# Altium PCB ir-24v-shit5-7-v2.PcbDoc (part 2 of 5)
Units mm, origin at the board's own origin, x right, y up, seen from the top; angles counter-clockwise.
Board outline 326.8 x 258 mm, 2 copper layers (Top Layer, Bottom Layer); 1008 components, 31 nets, 2786 pads, 0 vias.
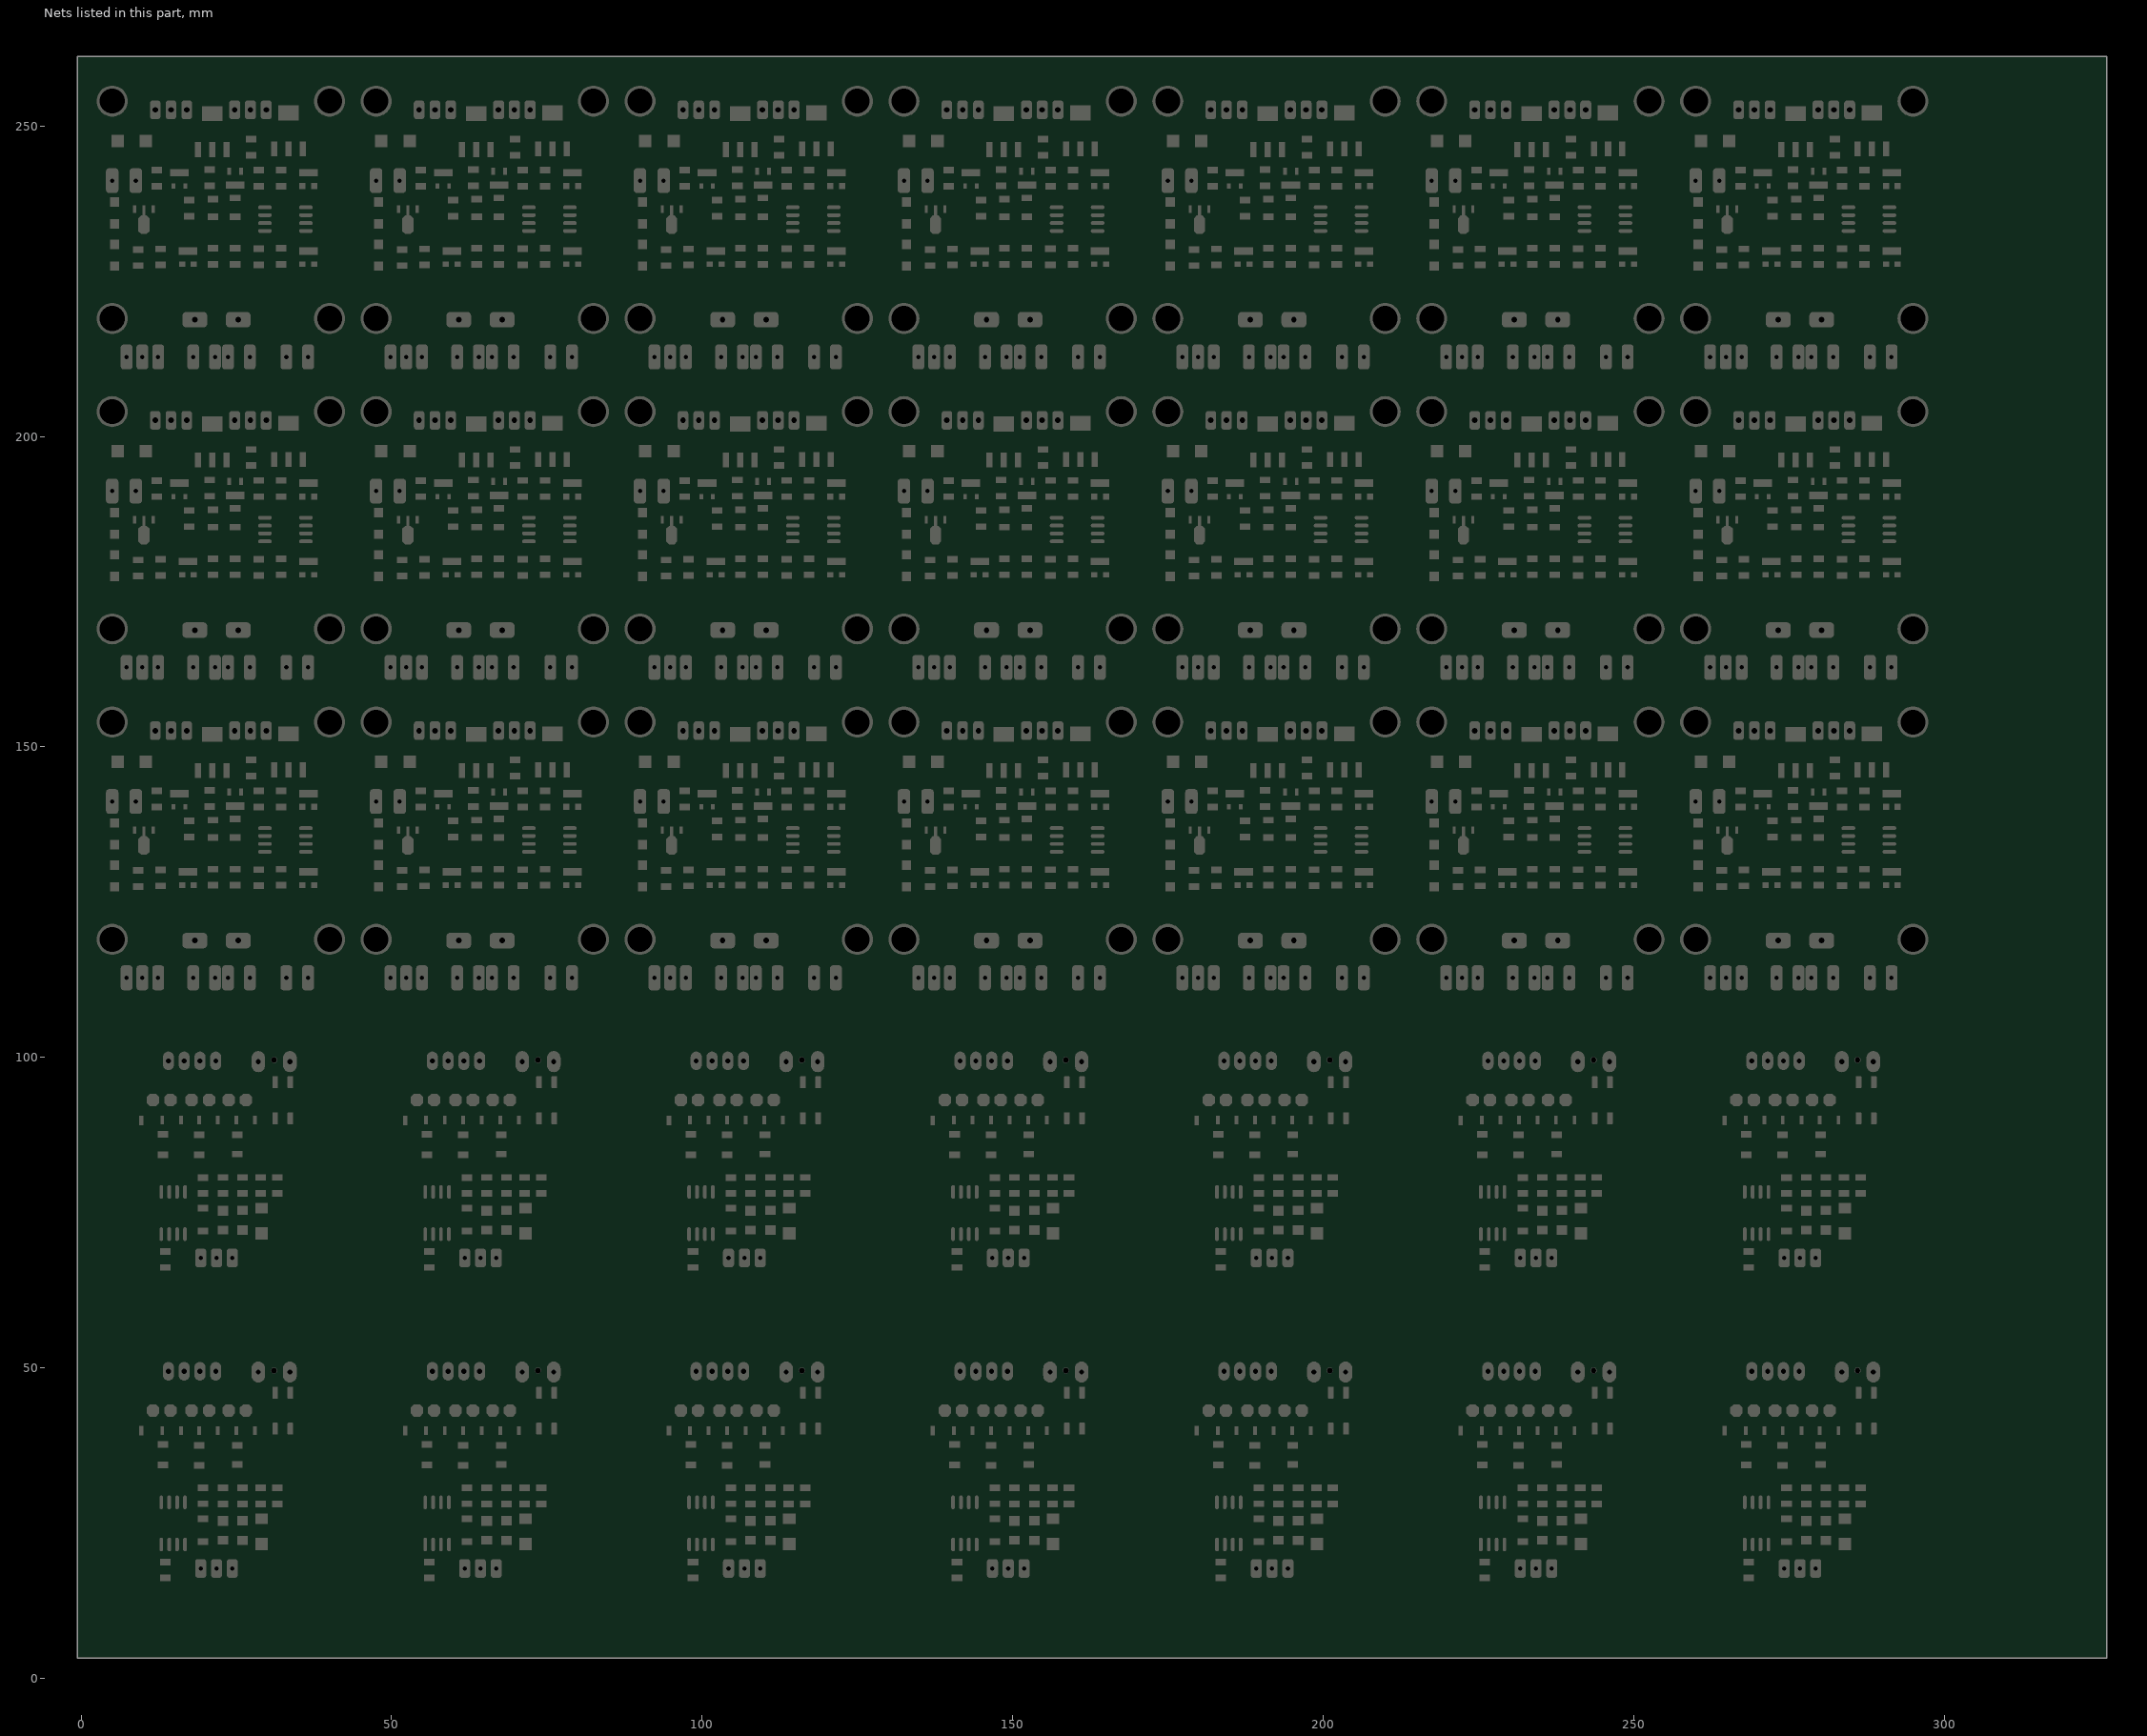
[diagram p2: the nets of this part, all layers, seen from the top]

## Components (designator, comment, footprint, x,y, rotation, side; value= is the part's Value field where it differs from the comment) (continued)
R12 "10K" "RES 1206 (3216X08L)"#2 283.587,178.924 r270 top
R12 "10K" "RES 1206 (3216X08L)"#2 283.587,228.924 r270 top
R12 "10K" "RES 1206 (3216X08L)"#2 241.087,128.924 r270 top
R12 "10K" "RES 1206 (3216X08L)"#2 241.087,178.924 r270 top
R12 "10K" "RES 1206 (3216X08L)"#2 241.087,228.924 r270 top
R12 "10K" "RES 1206 (3216X08L)"#2 198.587,128.924 r270 top
R12 "10K" "RES 1206 (3216X08L)"#2 198.587,178.924 r270 top
R12 "10K" "RES 1206 (3216X08L)"#2 198.587,228.924 r270 top
R12 "10K" "RES 1206 (3216X08L)"#2 156.087,128.924 r270 top
R12 "10K" "RES 1206 (3216X08L)"#2 156.087,178.924 r270 top
R12 "10K" "RES 1206 (3216X08L)"#2 156.087,228.924 r270 top
R12 "10K" "RES 1206 (3216X08L)"#2 113.587,128.924 r270 top
R12 "10K" "RES 1206 (3216X08L)"#2 113.587,178.924 r270 top
R12 "10K" "RES 1206 (3216X08L)"#2 113.587,228.924 r270 top
R12 "10K" "RES 1206 (3216X08L)"#2 71.087,128.924 r270 top
R12 "10K" "RES 1206 (3216X08L)"#2 71.087,178.924 r270 top
R12 "10K" "RES 1206 (3216X08L)"#2 71.087,228.924 r270 top
R12 "10K" "RES 1206 (3216X08L)"#2 28.587,128.924 r270 top
R12 "10K" "RES 1206 (3216X08L)"#2 28.587,178.924 r270 top
R12 "10K" "RES 1206 (3216X08L)"#2 28.587,228.924 r270 top
R13 "10K" "RES 1206 (3216X08L)"#2 267.8,128.905 r270 top
R13 "10K" "RES 1206 (3216X08L)"#2 267.8,178.905 r270 top
R13 "10K" "RES 1206 (3216X08L)"#2 267.8,228.905 r270 top
R13 "10K" "RES 1206 (3216X08L)"#2 225.3,128.905 r270 top
R13 "10K" "RES 1206 (3216X08L)"#2 225.3,178.905 r270 top
R13 "10K" "RES 1206 (3216X08L)"#2 225.3,228.905 r270 top
R13 "10K" "RES 1206 (3216X08L)"#2 182.8,128.905 r270 top
R13 "10K" "RES 1206 (3216X08L)"#2 182.8,178.905 r270 top
R13 "10K" "RES 1206 (3216X08L)"#2 182.8,228.905 r270 top
R13 "10K" "RES 1206 (3216X08L)"#2 140.3,128.905 r270 top
R13 "10K" "RES 1206 (3216X08L)"#2 140.3,178.905 r270 top
R13 "10K" "RES 1206 (3216X08L)"#2 140.3,228.905 r270 top
R13 "10K" "RES 1206 (3216X08L)"#2 97.8,128.905 r270 top
R13 "10K" "RES 1206 (3216X08L)"#2 97.8,178.905 r270 top
R13 "10K" "RES 1206 (3216X08L)"#2 97.8,228.905 r270 top
R13 "10K" "RES 1206 (3216X08L)"#2 55.3,128.905 r270 top
R13 "10K" "RES 1206 (3216X08L)"#2 55.3,178.905 r270 top
R13 "10K" "RES 1206 (3216X08L)"#2 55.3,228.905 r270 top
R13 "10K" "RES 1206 (3216X08L)"#2 12.8,128.905 r270 top
R13 "10K" "RES 1206 (3216X08L)"#2 12.8,178.905 r270 top
R13 "10K" "RES 1206 (3216X08L)"#2 12.8,228.905 r270 top
R15 "10K" "RES 1206 (3216X08L)"#2 276.2,129 r90 top
R15 "10K" "RES 1206 (3216X08L)"#2 276.2,179 r90 top
R15 "10K" "RES 1206 (3216X08L)"#2 276.2,229 r90 top
R15 "10K" "RES 1206 (3216X08L)"#2 233.7,129 r90 top
R15 "10K" "RES 1206 (3216X08L)"#2 233.7,179 r90 top
R15 "10K" "RES 1206 (3216X08L)"#2 233.7,229 r90 top
R15 "10K" "RES 1206 (3216X08L)"#2 191.2,129 r90 top
R15 "10K" "RES 1206 (3216X08L)"#2 191.2,179 r90 top
R15 "10K" "RES 1206 (3216X08L)"#2 191.2,229 r90 top
R15 "10K" "RES 1206 (3216X08L)"#2 148.7,129 r90 top
R15 "10K" "RES 1206 (3216X08L)"#2 148.7,179 r90 top
R15 "10K" "RES 1206 (3216X08L)"#2 148.7,229 r90 top
R15 "10K" "RES 1206 (3216X08L)"#2 106.2,129 r90 top
R15 "10K" "RES 1206 (3216X08L)"#2 106.2,179 r90 top
R15 "10K" "RES 1206 (3216X08L)"#2 106.2,229 r90 top
R15 "10K" "RES 1206 (3216X08L)"#2 63.7,129 r90 top
R15 "10K" "RES 1206 (3216X08L)"#2 63.7,179 r90 top
R15 "10K" "RES 1206 (3216X08L)"#2 63.7,229 r90 top
R15 "10K" "RES 1206 (3216X08L)"#2 21.2,129 r90 top
R15 "10K" "RES 1206 (3216X08L)"#2 21.2,179 r90 top
R15 "10K" "RES 1206 (3216X08L)"#2 21.2,229 r90 top
R16 "10K" "RES 1206 (3216X08L)"#2 279.8,129 r90 top
R16 "10K" "RES 1206 (3216X08L)"#2 279.8,179 r90 top
R16 "10K" "RES 1206 (3216X08L)"#2 279.8,229 r90 top
R16 "10K" "RES 1206 (3216X08L)"#2 237.3,129 r90 top
R16 "10K" "RES 1206 (3216X08L)"#2 237.3,179 r90 top
R16 "10K" "RES 1206 (3216X08L)"#2 237.3,229 r90 top
R16 "10K" "RES 1206 (3216X08L)"#2 194.8,129 r90 top
R16 "10K" "RES 1206 (3216X08L)"#2 194.8,179 r90 top
R16 "10K" "RES 1206 (3216X08L)"#2 194.8,229 r90 top
R16 "10K" "RES 1206 (3216X08L)"#2 152.3,129 r90 top
R16 "10K" "RES 1206 (3216X08L)"#2 152.3,179 r90 top
R16 "10K" "RES 1206 (3216X08L)"#2 152.3,229 r90 top
R16 "10K" "RES 1206 (3216X08L)"#2 109.8,129 r90 top
R16 "10K" "RES 1206 (3216X08L)"#2 109.8,179 r90 top
R16 "10K" "RES 1206 (3216X08L)"#2 109.8,229 r90 top
R16 "10K" "RES 1206 (3216X08L)"#2 67.3,129 r90 top
R16 "10K" "RES 1206 (3216X08L)"#2 67.3,179 r90 top
R16 "10K" "RES 1206 (3216X08L)"#2 67.3,229 r90 top
R16 "10K" "RES 1206 (3216X08L)"#2 24.8,129 r90 top
R16 "10K" "RES 1206 (3216X08L)"#2 24.8,179 r90 top
R16 "10K" "RES 1206 (3216X08L)"#2 24.8,229 r90 top
U1 "ATtiny15L-1SC" 8S2_N#1 288,135 r0 top
U1 "ATtiny15L-1SC" 8S2_N#1 288,185 r0 top
U1 "ATtiny15L-1SC" 8S2_N#1 288,235 r0 top
U1 "ATtiny15L-1SC" 8S2_N#1 245.5,135 r0 top
U1 "ATtiny15L-1SC" 8S2_N#1 245.5,185 r0 top
U1 "ATtiny15L-1SC" 8S2_N#1 245.5,235 r0 top
U1 "ATtiny15L-1SC" 8S2_N#1 203,135 r0 top
U1 "ATtiny15L-1SC" 8S2_N#1 203,185 r0 top
U1 "ATtiny15L-1SC" 8S2_N#1 203,235 r0 top
U1 "ATtiny15L-1SC" 8S2_N#1 160.5,135 r0 top
U1 "ATtiny15L-1SC" 8S2_N#1 160.5,185 r0 top
U1 "ATtiny15L-1SC" 8S2_N#1 160.5,235 r0 top
U1 "ATtiny15L-1SC" 8S2_N#1 118,135 r0 top
U1 "ATtiny15L-1SC" 8S2_N#1 118,185 r0 top
U1 "ATtiny15L-1SC" 8S2_N#1 118,235 r0 top
U1 "ATtiny15L-1SC" 8S2_N#1 75.5,135 r0 top
U1 "ATtiny15L-1SC" 8S2_N#1 75.5,185 r0 top
U1 "ATtiny15L-1SC" 8S2_N#1 75.5,235 r0 top
U1 "ATtiny15L-1SC" 8S2_N#1 33,135 r0 top
U1 "ATtiny15L-1SC" 8S2_N#1 33,185 r0 top
U1 "ATtiny15L-1SC" 8S2_N#1 33,235 r0 top
U1_1 "MB6S" SOIC245P670X270-4N 32.466,93.08 r90 top (schematic designator U1)
U1_1 "MB6S" SOIC245P670X270-4N 74.966,93.08 r90 top (schematic designator U1)
U1_1 "MB6S" SOIC245P670X270-4N 117.466,93.08 r90 top (schematic designator U1)
U1_1 "MB6S" SOIC245P670X270-4N 159.966,93.08 r90 top (schematic designator U1)
U1_1 "MB6S" SOIC245P670X270-4N 202.466,93.08 r90 top (schematic designator U1)
U1_1 "MB6S" SOIC245P670X270-4N 244.966,93.08 r90 top (schematic designator U1)
U1_1 "MB6S" SOIC245P670X270-4N 287.466,93.08 r90 top (schematic designator U1)
U1_1 "MB6S" SOIC245P670X270-4N 32.466,43.08 r90 top (schematic designator U1)
U1_1 "MB6S" SOIC245P670X270-4N 74.966,43.08 r90 top (schematic designator U1)
U1_1 "MB6S" SOIC245P670X270-4N 117.466,43.08 r90 top (schematic designator U1)
U1_1 "MB6S" SOIC245P670X270-4N 159.966,43.08 r90 top (schematic designator U1)
U1_1 "MB6S" SOIC245P670X270-4N 202.466,43.08 r90 top (schematic designator U1)
U1_1 "MB6S" SOIC245P670X270-4N 244.966,43.08 r90 top (schematic designator U1)
U1_1 "MB6S" SOIC245P670X270-4N 287.466,43.08 r90 top (schematic designator U1)
U2 "LM1117MP-3.3" SOT89L 265.1,134.9 r270 top
U2 "LM1117MP-3.3" SOT89L 265.1,184.9 r270 top
U2 "LM1117MP-3.3" SOT89L 265.1,234.9 r270 top
U2 "LM1117MP-3.3" SOT89L 222.6,134.9 r270 top
U2 "LM1117MP-3.3" SOT89L 222.6,184.9 r270 top
U2 "LM1117MP-3.3" SOT89L 222.6,234.9 r270 top
U2 "LM1117MP-3.3" SOT89L 180.1,134.9 r270 top
U2 "LM1117MP-3.3" SOT89L 180.1,184.9 r270 top
U2 "LM1117MP-3.3" SOT89L 180.1,234.9 r270 top
U2 "LM1117MP-3.3" SOT89L 137.6,134.9 r270 top
U2 "LM1117MP-3.3" SOT89L 137.6,184.9 r270 top
U2 "LM1117MP-3.3" SOT89L 137.6,234.9 r270 top
U2 "LM1117MP-3.3" SOT89L 95.1,134.9 r270 top
U2 "LM1117MP-3.3" SOT89L 95.1,184.9 r270 top
U2 "LM1117MP-3.3" SOT89L 95.1,234.9 r270 top
U2 "LM1117MP-3.3" SOT89L 52.6,134.9 r270 top
U2 "LM1117MP-3.3" SOT89L 52.6,184.9 r270 top
U2 "LM1117MP-3.3" SOT89L 52.6,234.9 r270 top
U2 "LM1117MP-3.3" SOT89L 10.1,134.9 r270 top
U2 "LM1117MP-3.3" SOT89L 10.1,184.9 r270 top
U2 "LM1117MP-3.3" SOT89L 10.1,234.9 r270 top
U3 "ATtiny15L-1SC" 8S2_N#2 14.813,74.919 r90 top
U3 "ATtiny15L-1SC" 8S2_N#2 57.313,74.919 r90 top
U3 "ATtiny15L-1SC" 8S2_N#2 99.813,74.919 r90 top
U3 "ATtiny15L-1SC" 8S2_N#2 142.313,74.919 r90 top
U3 "ATtiny15L-1SC" 8S2_N#2 184.813,74.919 r90 top
U3 "ATtiny15L-1SC" 8S2_N#2 227.313,74.919 r90 top
U3 "ATtiny15L-1SC" 8S2_N#2 269.813,74.919 r90 top
U3 "ATtiny15L-1SC" 8S2_N#2 14.813,24.919 r90 top
U3 "ATtiny15L-1SC" 8S2_N#2 57.313,24.919 r90 top
U3 "ATtiny15L-1SC" 8S2_N#2 99.813,24.919 r90 top
U3 "ATtiny15L-1SC" 8S2_N#2 142.313,24.919 r90 top
U3 "ATtiny15L-1SC" 8S2_N#2 184.813,24.919 r90 top
U3 "ATtiny15L-1SC" 8S2_N#2 227.313,24.919 r90 top
U3 "ATtiny15L-1SC" 8S2_N#2 269.813,24.919 r90 top

## Footprints (in the part's own frame and the unit in brackets; to place one, negate y for a bottom-side part, rotate by r counter-clockwise, add the part's x,y. Pads: shape width x height; smd on the part's side, far side on the other; paste and mask are expansions set on the pad)
3.2X1.6X1.1#1 [mm] "SMT LED; 2 Flat Leads"
  rect 2x2 smd: 1(-2,0) 2(2.55,0)
  silkscreen extent -2.9,-1.4 3.95,1.4
3.2X1.6X1.1#2 [mm] "SMT LED; 2 Flat Leads"
  rect 1.5x1.5 smd: 1(-1.75,0) 2(1.75,0)
  silkscreen extent -2.9,-1.15 3.2,1.15
3.2X1.6X1.1#3 [mm] "SMT LED; 2 Flat Leads"
  rrect50% 1.9x4 hole 0.7: 1(-1.75,0) 2(1.75,0)
3.2X1.6X1.1#4 [mm] "SMT LED; 2 Flat Leads"
  rrect50% 1.9x4 hole 0.7: 1(-1.75,0.2) 2(1.75,0.2)
3.2X1.6X1.1#5 [mm] "SMT LED; 2 Flat Leads"
  rrect50% 1.9x4 hole 0.7: 1(-1.75,-0.2) 2(1.75,-0.2)
8S2_N#1 [mm] "SOP, 8-Leads, Body 5.3x5.3mm, Pitch 1.27mm, IPC Medium Density"
  oval 2.2x0.6 smd: 1(-3.4,1.905) 2(-3.4,0.635) 3(-3.4,-0.635) 4(-3.4,-1.905) 5(3.2,-1.905) 6(3.2,-0.635) 7(3.2,0.635) 8(3.2,1.905)
  silkscreen extent -3.52,-2.75 1.9,2.88, body extent -2.73,-2.75 2.73,2.75, height 2.16
8S2_N#2 [mm] "SOP, 8-Leads, Body 5.3x5.3mm, Pitch 1.27mm, IPC Medium Density"
  oval 2.2x0.6 smd: 1(-3.4,1.905) 2(-3.4,0.635) 3(-3.4,-0.635) 4(-3.4,-1.905) 5(3.4,-1.905) 6(3.4,-0.635) 7(3.4,0.635) 8(3.4,1.905)
  silkscreen extent -3.52,-2.75 1.9,2.88, body extent -2.73,-2.75 2.73,2.75, height 2.16
BUZZER [mm] "BUZZER"
  rrect50% 4x2.5 hole 0.9: 1(-3.5,0) 2(3.5,0)
  silkscreen extent -6,-6 6,6
C1206 [mm] "Chip Capacitor, Body 3.2x1.6mm, IPC High Density"
  rect 1.5x1.7 smd: 1(-1.35,0) 2(1.83,0)
  silkscreen extent -0.4,-0.75 0.4,0.75, body extent -1.7,-0.9 1.7,0.9, height 1.3
"CAP 1206"#1 [mm]
  rect 1.05x1.7 smd: 1(-1.27,0) 2(1.326,0)
  silkscreen extent -0.47,-0.75 0.53,0.75, body extent -1.49,-0.77 1.55,0.75, height 0.75
"CAP 1206"#2 [mm]
  rect 1.7x2 smd: 1(-1.905,0)
  rect 2x2 smd: 2(2.159,0)
  silkscreen extent -0.47,-0.75 0.53,0.75, body extent -1.49,-0.77 1.55,0.75, height 0.75
"CAP 1206"#3 [mm]
  rect 1.05x1.7 smd: 1(-1.4,0) 2(1.4,0)
  silkscreen extent -0.47,-0.75 0.53,0.75, body extent -1.49,-0.77 1.55,0.75, height 0.75
"CAP 1206"#4 [mm]
  rect 1.6x1.7 smd: 1(-1.778,0)
  rect 1.4x1.7 smd: 2(1.326,0)
  silkscreen extent -0.47,-0.75 0.53,0.75, body extent -1.49,-0.77 1.55,0.75, height 0.75
ELEC-CAP-RAD15-30 [mm]
  rrect50% 2x4 hole 0.7: 1(-1.8,0.2) 2(2,0.2)
  silkscreen extent -4.06,-4.06 4.06,4.06, body extent -4.25,-4.25 4.24,4.25, height 15.46
"HEADER 3X1"#1 [mm]
  oval 2.2x3.4 hole 0.8: 1(0,0) 3(5.08,0)
  round 1 hole 0.9: 2(2.54,-0.254)
  body extent -1.24,-1.27 6.38,1.27, height 8.38
"HEADER 3X1"#2 [mm]
  rrect50% 1.778x3 hole 0.9: 1(0,0) 2(2.54,0) 3(5.08,0)
  silkscreen extent -1.4,-2.2 6.48,6.8, body extent -1.24,-1.27 6.38,1.27, height 8.38
"HEADER 3X1"#3 [mm]
  rrect50% 1.9x4 hole 0.7: 1(0,0) 2(2.54,0) 3(5.08,0)
  silkscreen extent -1.4,-4.6 6.48,2.52, body extent -1.24,-1.27 6.38,1.27, height 8.38
"HEADER 3X1"#4 [mm]
  rrect50% 1.778x3 hole 0.7: 1(0,0) 2(2.54,0) 3(5.08,0)
  silkscreen extent -1.4,-1.4 6.48,1.4, body extent -1.24,-1.27 6.38,1.27, height 8.38
"HEADER 3X1"#5 [mm]
  rrect50% 1.7x3 hole 0.9: 1(0,0) 2(2.54,0) 3(5.08,0)
  silkscreen extent -1.4,-2.2 6.48,6.8, body extent -1.24,-1.27 6.38,1.27, height 8.38
"HEADER 4X1" [mm]
  oval 1.8x3 hole 0.8: 1(0,0) 2(2.54,0) 3(5.08,0) 4(7.62,0)
  body extent -1.19,-1.22 8.97,1.32, height 8.38
"RES 1206 (3216X08L)"#1 [mm] "Chip Resistor, 2-Leads, Body 3.2x1.6mm, IPC High Density _ (0.125 W)"
  rect 1.05x1.7 smd: 1(-1.27,0) 2(1.27,0)
  silkscreen extent -0.5,-0.75 0.5,0.75, body extent -1.52,-0.76 1.53,0.76, height 0.6
"RES 1206 (3216X08L)"#2 [mm] "Chip Resistor, 2-Leads, Body 3.2x1.6mm, IPC High Density _ (0.125 W)"
  rect 1.05x1.7 smd: 1(-1.295,0) 2(1.301,0)
  silkscreen extent -0.5,-0.75 0.5,0.75, body extent -1.52,-0.76 1.53,0.76, height 0.6
"RES 1206 (3216X08L)"#3 [mm] "Chip Resistor, 2-Leads, Body 3.2x1.6mm, IPC High Density _ (0.125 W)"
  rect 1.05x1.7 smd: 1(-2.032,0) 2(1.651,0)
  silkscreen extent -0.5,-0.75 0.5,0.75, body extent -1.52,-0.76 1.53,0.76, height 0.6
"RES 1206 (3216X08L)"#4 [mm] "Chip Resistor, 2-Leads, Body 3.2x1.6mm, IPC High Density _ (0.125 W)"
  rect 1.05x1.7 smd: 1(-1.495,0) 2(1.505,0)
  silkscreen extent -0.5,-0.75 0.5,0.75, body extent -1.52,-0.76 1.53,0.76, height 0.6
"RES 1206 (3216X08L)"#5 [mm] "Chip Resistor, 2-Leads, Body 3.2x1.6mm, IPC High Density _ (0.125 W)"
  rect 1.05x1.7 smd: 1(-1.44,0) 2(1.651,0)
  silkscreen extent -0.5,-0.75 0.5,0.75, body extent -1.52,-0.76 1.53,0.76, height 0.6
"RES 1206 (3216X08L)"#6 [mm] "Chip Resistor, 2-Leads, Body 3.2x1.6mm, IPC High Density _ (0.125 W)"
  rect 1.05x1.7 smd: 1(-1.567,0) 2(1.651,0)
  silkscreen extent -0.5,-0.75 0.5,0.75, body extent -1.52,-0.76 1.53,0.76, height 0.6
"RES 1206 (3216X08L)"#7 [mm] "Chip Resistor, 2-Leads, Body 3.2x1.6mm, IPC High Density _ (0.125 W)"
  rect 1.05x1.7 smd: 1(-1.905,0) 2(1.397,0)
  silkscreen extent -0.5,-0.75 0.5,0.75, body extent -1.52,-0.76 1.53,0.76, height 0.6
SOIC245P670X270-4N [mm]
  rrect23% 1.91x0.91 smd: 1(-2.9,1.225) 2(-2.9,-1.225) 3(2.9,-1.225) 4(2.9,1.225)
  silkscreen extent -4.68,-2.48 2.1,2.48
SOT89L [mm] "SOT89, 3-Leads, Body 4.5x2.4 mm, Pitch 1.5mm, Lead Span 4.1mm, IPC High Density"
  rect 1.2x0.5 smd: 1(-1.7,1.5) 3(-1.7,-1.5)
  rect 1.6x0.5 smd: 2(-1.5,0)
  oct 3x1.8 smd: 2(0.8,0)
  silkscreen extent -2.07,-2.3 1.3,2.43, body extent -1.3,-2.3 1.3,2.3, height 1.6
SOT89N [mm] "SOT89, 3-Leads, Body 4.5x2.4 mm, Pitch 1.5mm, Lead Span 4.1mm, IPC Medium Density"
  rect 1.4x0.6 smd: 1(-1.8,1.5) 3(-1.8,-1.5)
  silkscreen extent -2.07,2.22 -1.83,2.47, body extent -1.3,-2.3 1.3,2.3, height 1.6
SOT223_N [mm] "SOT223, 4-Leads, Body 6.5x3.5mm, Pitch 2.3mm, Lead Span 7mm, IPC Medium Density"
  rect 2.4x1 smd: 1(-2.9,2.3) 2(-2.9,0) 3(-2.9,-2.3)
  rect 2.4x3.3 smd: 4(2.9,0)
  silkscreen extent -3.02,-3.35 1.4,3.47, body extent -1.85,-3.35 1.85,3.35, height 1.7
SOT-23B_L#1 [mm] "SOT23, 3-Leads, Body 2.9x1.3mm, Pitch 0.95mm, Lead Span 2.4mm, IPC High Density"
  rect 0.85x0.6 smd: 1(-1.075,0.95) 2(-1.075,-0.95)
  rect 1.2x3 smd: 3(1.075,0)
  silkscreen extent -1.2,-1.5 0.7,1.92, body extent -0.7,-1.5 0.7,1.5, height 1.14
SOT-23B_L#2 [mm] "SOT23, 3-Leads, Body 2.9x1.3mm, Pitch 0.95mm, Lead Span 2.4mm, IPC High Density"
  rect 1x1 smd: 1(-1.075,0.95) 2(-1.075,-0.95)
  rect 1.2x3 smd: 3(1.075,0)
  silkscreen extent -1.2,-1.5 0.7,1.92, body extent -0.7,-1.5 0.7,1.5, height 1.14
SOT-23B_L#3 [mm] "SOT23, 3-Leads, Body 2.9x1.3mm, Pitch 0.95mm, Lead Span 2.4mm, IPC High Density"
  rect 0.85x1 smd: 1(-1.075,0.95) 2(-1.075,-0.95)
  rect 1.2x3 smd: 3(1.075,0)
  silkscreen extent -1.2,-1.5 0.7,1.92, body extent -0.7,-1.5 0.7,1.5, height 1.14
SOT-23B_N [mm] "SOT23, 3-Leads, Body 2.9x1.3mm, Pitch 0.95mm, Lead Span 2.4mm, IPC Medium Density"
  rect 1.15x0.6 smd: 1(-1.125,0.95) 2(-1.125,-0.95)
  rect 1.2x3 smd: 3(1.125,0)
  silkscreen extent -2.2,-1.9 2.1,1.93, body extent -0.7,-1.5 0.7,1.5, height 1.14
